# Altium PCB huamoidiot PCB.PcbDoc
Units mm, origin at the board's own origin, x right, y up, seen from the top; angles counter-clockwise.
Board outline 109.47 x 58.17 mm, 2 copper layers (Top Layer, Bottom Layer); 32 components, 41 nets, 177 pads, 9 vias.
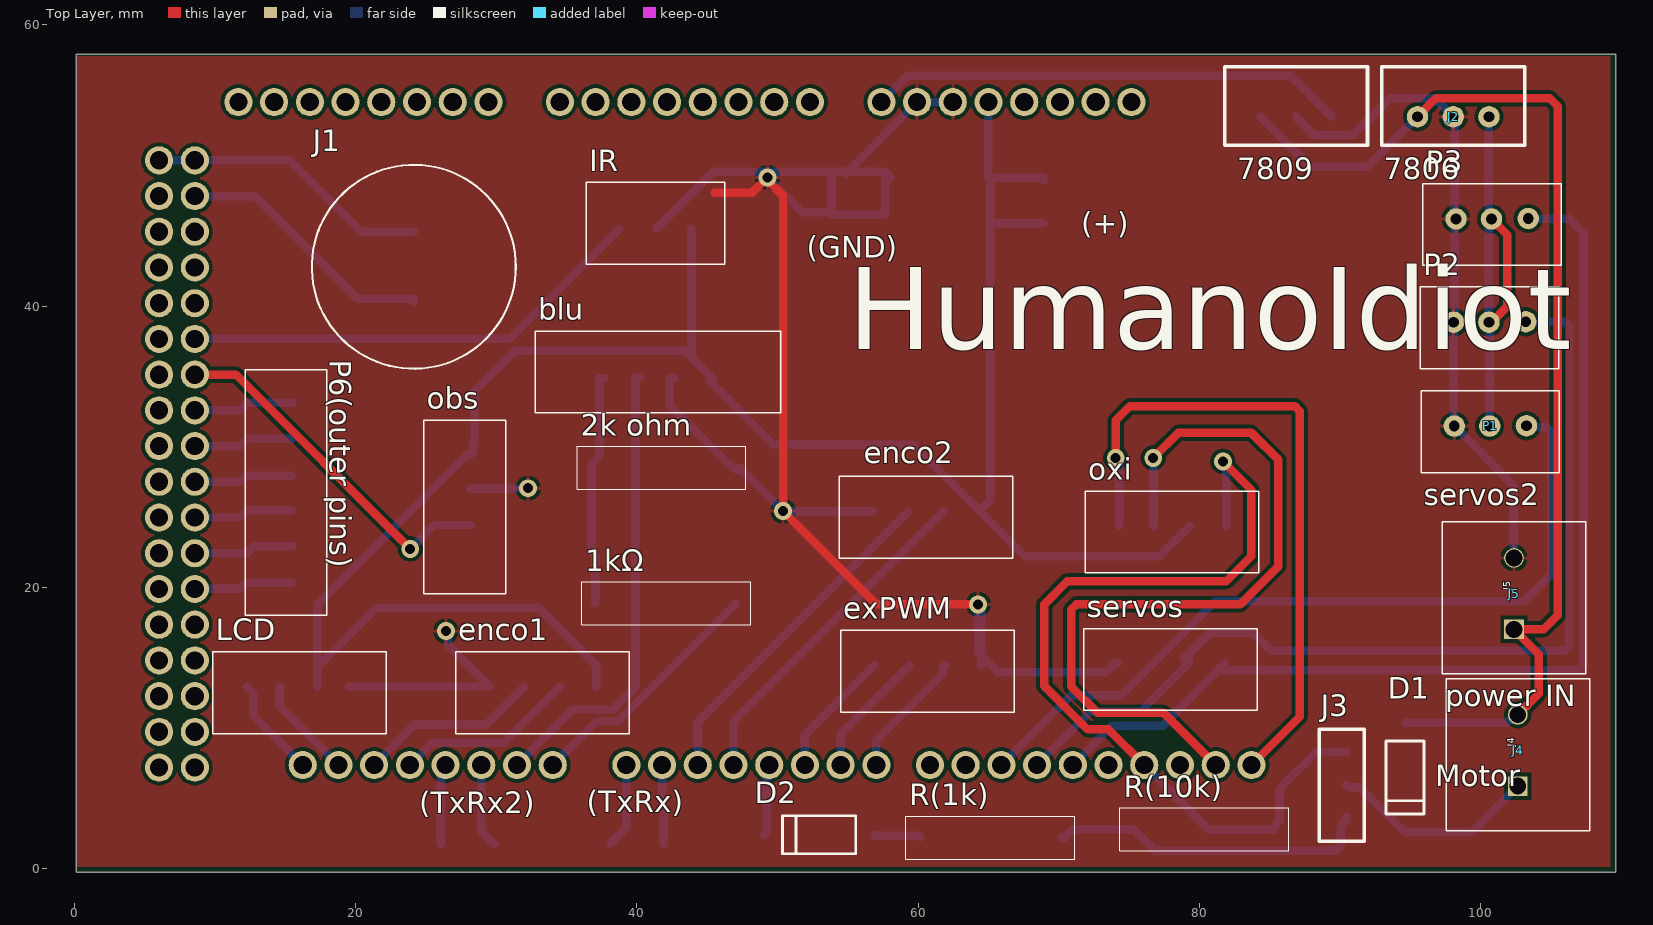
[diagram p0: Top Layer view]
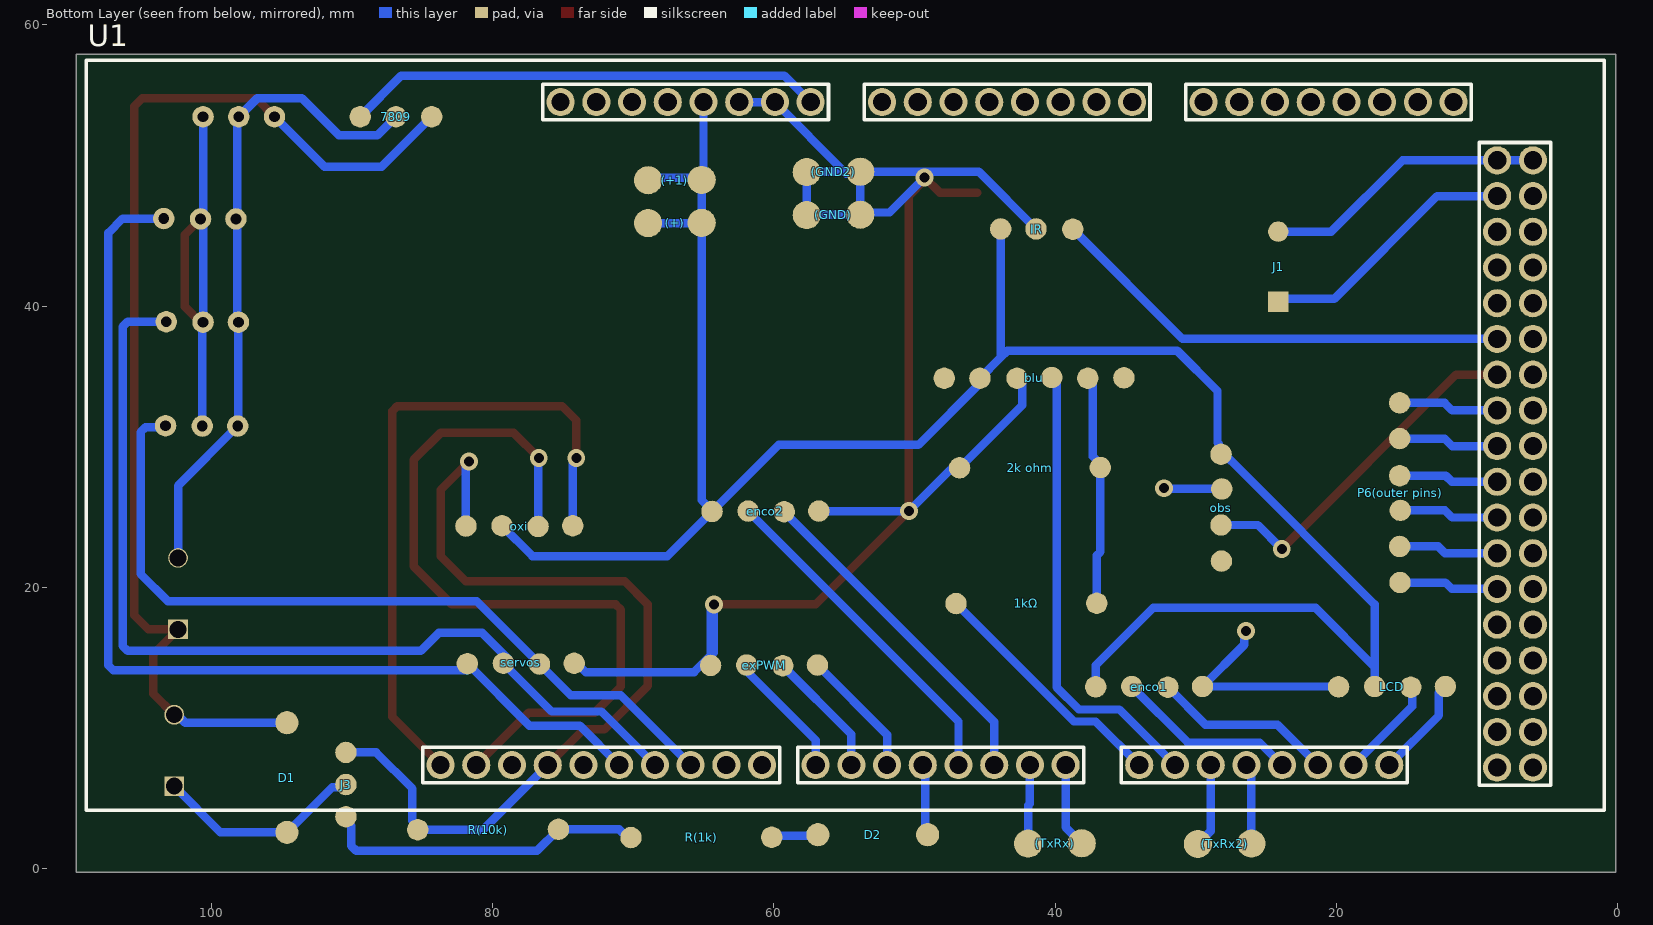
[diagram p1: Bottom Layer view, seen from below]

## Layer stack, top to bottom
Top Solder: solder mask 0.0102, Solder Resist, Dk 3.5
Top Layer: signal copper 0.0356
Dielectric 1: dielectric 0.32, FR-4, Dk 4.8
Bottom Layer: signal copper 0.0356
Bottom Solder: solder mask 0.0102, Solder Resist, Dk 3.5

## Board outline
0.127,-0.254 0.127,57.912 109.601,57.912 109.601,-0.254

## Design rules (kind name [scope] priority, off if disabled: settings)
Clearance [All] p1: gap=0.254 ignorepadtopadclearanceinfootprint=FALSE
PolygonConnect [All] p1: connectstyle=Relief reliefconductorwidth=0.254 reliefentries=4 polygonreliefangle="90 Angle" airgapwidth=0.254
RoutingVias [All] p1: holewidth=0.711 width=1.27 viastyle="Through Hole" minholewidth=0.711 minwidth=1.27 maxholewidth=0.711 maxwidth=1.27
SolderMaskExpansion [All] p1: expansion=0.102 istentingtop=FALSE
SupplyNets "Schematic Supply Nets_3" [InNet('+12')] p1: voltage=0.000
SupplyNets "Schematic Supply Nets_2" [InNet('+5')] p2: voltage=0.000
SupplyNets "Schematic Supply Nets" [InNet('GND')] p3: voltage=0.000
Width [All] p1: maxlimit=2 minlimit=0.254 preferedwidth=0.6 minimp=50.000000 maximp=50.000000 favimp=50.000000
30 further rules are at their usual default settings.

## Components (designator, comment, footprint, x,y, rotation, side; value= is the part's Value field where it differs from the comment)
1kΩ "0.25W_resistor" 0.25W_resistor 40.259,17.653 r0 top
"2k ohm" "0.25W_resistor" 0.25W_resistor 43.561,29.718 r180 top
7809 "7809_hole" 780X_hole#1 86.868,54.737 r0 top
(+1) "Pin_Header_2" "pin header_2" 70.612,49.867 r180 top
(+) "Pin_Header_2" "pin header_2" 70.612,46.813 r180 top
(GND2) "Pin_Header_2" "pin header_2" 59.334,50.444 r180 top
(GND) "Pin_Header_2" "pin header_2" 59.334,47.39 r180 top
(TxRx2) "Pin_Header_2" "pin header_2" 24.359,0.864 r0 top
(TxRx) "Pin_Header_2" "pin header_2" 36.424,0.889 r0 top
blu "bluetooth" Data_Pin_6 38.227,28.829 r0 top
D1 "1N4007" FAIR-DO-41-2 94.615,6.477 r270 top
D2 "1N4007" FAIR-DO-41-2 52.959,2.413 r180 top
enco1 "enco1" Data_Pin_4 27.737,13.716 r180 top
enco2 "enco2" Data_Pin_4 55.016,26.187 r180 top
exPWM "Data_Pin_4" Data_Pin_4 55.118,15.24 r180 top
IR "Data_Pin_3(IR)" Data_Pin_3#1 47.93,46.33 r0 top
J1 "Buzzer_5V" Buzzer_5V_14mm 24.13,42.799 r90 top
J2 "7806" 780X_hole#2 98.044,54.737 r0 top
J3 "BD679C NPN Transistor" "BD679C NPN Transistor" 89.916,5.98 r270 top
J4 "Motor" "Screw Terminal 2 pins" 102.634,8.404 r90 top
J5 "power IN" "Screw Terminal 2 pins" 102.362,19.558 r90 top
LCD "LCD" Data_Pin_4 10.465,13.716 r180 top
obs "OBS" Data_Pin_4 28.956,31.242 r90 top
oxi "OXI" Data_Pin_4 72.517,25.146 r180 top
P1 "servos2" Data_Pin_3#2 94.056,30.632 r180 top
P2 "servos3" Data_Pin_3#2 94.005,38.024 r180 top
P3 "servos4" Data_Pin_3#2 94.183,45.364 r180 top
"P6(outer pins)" "Data_Pin_6(outer pins)" Data_Pin_6 21.539,23.47 r90 top
R(1k) "0.25W_resistor" 0.25W_resistor 66.929,3.429 r180 top
R(10k) "0.25W_resistor" 0.25W_resistor 78.537,1.575 r0 top
servos "servos1" Data_Pin_4 72.415,15.363 r180 top
U1 "Arduino_Mega" Arduino_Mega 712.14,55.651 r180 bottom

## Footprints (in the part's own frame and the unit in brackets; to place one, negate y for a bottom-side part, rotate by r counter-clockwise, add the part's x,y. Pads: shape width x height; smd on the part's side, far side on the other; paste and mask are expansions set on the pad)
0.25W_resistor [mil]
  round 60 smd far side: 1(-127,48) 2(267,47)
  silkscreen extent -165,-12 308,108, body extent -143,1 283,95, height 162
780X_hole#1 [mil]
  round 60 smd far side: 1(-100,-50) 2(100,-50) 3(0,-50)
  silkscreen extent -200,-130 200,90, body extent -201,-130 201,91, height 813
780X_hole#2 [mil]
  round 60 hole 30: 1(-100,-50) 2(100,-50) 3(0,-50)
  silkscreen extent -200,-130 200,90, body extent -201,-130 201,91, height 813
Arduino_Mega [mm] "Arduino_Mega"
  round 2 hole 1.3: 3.3V(644.601,-1.143) 5V(647.141,-1.143) 5V_DOWN(703.58,-48.463) 5V_DOWN(706.12,-48.463) 22(706.12,-45.923) 23(703.58,-45.923) 24(706.12,-43.383) 25(703.58,-43.383) 26(706.12,-40.843) 27(703.58,-40.843) 28(706.12,-38.303) 29(703.58,-38.303) 30(706.12,-35.763) 31(703.58,-35.763) 32(706.12,-33.223) 33(703.58,-33.223) 34(706.12,-30.683) 35(703.58,-30.683) 36(706.12,-28.143) 37(703.58,-28.143) 38(706.12,-25.603) 39(703.58,-25.603) 40(706.12,-23.063) 41(703.58,-23.063) 42(706.12,-20.523) 43(703.58,-20.523) 44(706.12,-17.983) 45(703.58,-17.983) 46(706.12,-15.443) 47(703.58,-15.443) 48(706.12,-12.903) 49(703.58,-12.903) 50(706.12,-10.363) 51(703.58,-10.363) 52(706.12,-7.823) 53(703.58,-7.823) A_0(659.841,-1.143) A_1(662.381,-1.143) A_2(664.921,-1.143) A_3(667.461,-1.143) A_4(670.001,-1.143) A_5(672.541,-1.143) A_6(675.081,-1.143) A_7(677.621,-1.143) A_8(682.701,-1.143) A_9(685.241,-1.143) A_10(687.781,-1.143) A_11(690.321,-1.143) A_12(692.861,-1.143) A_13(695.401,-1.143) A_14(697.941,-1.143) A_15(700.481,-1.143) GND_DOWN(703.58,-5.283) GND_DOWN(706.12,-5.283) GND_POWER(649.681,-1.143) GND_POWER(652.221,-1.143) GND_PWM(636.067,-48.285) HOLD(636.981,-1.143) PWM_2(667.817,-48.285) PWM_3(665.277,-48.285) PWM_4(662.737,-48.285) PWM_5(660.197,-48.285) PWM_6(657.657,-48.285) PWM_7(655.117,-48.285) PWM_8(651.307,-48.285) PWM_9(648.767,-48.285) PWM_10(646.227,-48.285) PWM_11(643.687,-48.285) PWM_12(641.147,-48.285) PWM_13(638.607,-48.285) REF(633.527,-48.285) REF_I/O(639.521,-1.143) RST(642.061,-1.143) Rx_0(672.897,-48.285) Rx_15(680.669,-48.285) Rx_17(685.749,-48.285) Rx_19(690.829,-48.285) SCL(628.447,-48.285) SCL_21(695.909,-48.285) SDA(630.987,-48.285) SDA_20(693.369,-48.285) Tx_1(670.357,-48.285) Tx_14(678.129,-48.285) Tx_16(683.209,-48.285) Tx_18(688.289,-48.285) Vin(654.761,-1.143)
  silkscreen extent 603.25,-51.51 711.2,1.83, body extent 603.1,-51.26 711.05,2.08, height 18.3
"BD679C NPN Transistor" [mil] "BD679C 750@1.5A,3V 80V NPN 4A 40W TO-126-3 Darlington Transistor"
  round 60 smd far side: B(90,20) C(0,20) E(-90,20)
  silkscreen extent -155,-56 159,71, body extent -156,-56 159,72, height 671
Buzzer_5V_14mm [mm] "FP-PS1440P02BT-MFG"
  rect 1.45x1.45 smd far side paste-2539.97 mask+0: 1(-2.5,0)
  round 1.45 smd far side paste-2539.97 mask+0: 2(2.5,0)
  silkscreen extent -7.25,-7.25 7.25,7.25, body extent -7.35,-7.35 7.35,7.35, height 0.25
Data_Pin_3#1 [mil]
  round 60 smd far side: 1(-362,-34) 2(-259,-33) 3(-160,-33)
  silkscreen extent -454,-132 -67,97, body extent -451,-132 -67,98, height 284
Data_Pin_3#2 [mil]
  round 60 hole 30: 1(-362,-34) 2(-259,-33) 3(-160,-33)
  silkscreen extent -454,-132 -67,97, body extent -451,-132 -67,98, height 284
Data_Pin_4 [mil]
  round 60 smd far side: 1(-369,31) 2(-268,30) 3(-167,32) 4(-70,30)
  silkscreen extent -461,-67 25,162, body extent -460,-69 24,161, height 284
Data_Pin_6 [mil]
  round 60 smd far side: 1(-123,239) 2(-22,238) 3(79,240) 4(176,238) 5(280,238) 6(380,237.99)
  silkscreen extent -215,141 473,370, body extent -214,139 470,369, height 284
FAIR-DO-41-2 [mm] "THD, 2-Leads, Body 5.2x2.72mm, Pin Spacing 7.8mm"
  round 1.65 smd far side: 1(-3.9,0) 2(3.9,0)
  silkscreen extent -2.6,-1.35 2.6,1.35, body extent -4.29,-1.17 4.29,1.17, height 2.35
"pin header_2" [mm] "pin header_2"
  round 2 smd far side: 38(5.486,0.889) 39(1.676,0.914)
  body extent -0.25,-0.43 7.37,2.37, height 9
"Screw Terminal 2 pins" [mm]
  rect 1.4x1.4 hole 1.2 mask+0.102: 1(-2.54,0)
  round 1.4 hole 1.2 mask+0.102: 2(2.54,0)
  silkscreen extent -5.7,-5.1 5.1,5.1, body extent -5.66,-5.1 5.1,5.1, height 14.1

## Part data
(+1) (+) (GND2) (GND) (TxRx2) (TxRx): "pin header"
blu "P6(outer pins)": library part Data_Pin_6
D1 D2: library part CMP-004-00007-2, "General Purpose Rectifier, 1.1 V, 1.0 A, -55 to 175 degC, 2-Pin DO-41, RoHS, Tape and Reel", Case/Package=DO-41-2, Forward Current=1A, Forward Voltage=1.1V, Manufacturer=Fairchild, Max Operating Temperature=175°C, Max Surge Current=30A, Min Operating Temperature=-55°C, Package Description="2-Pin Axial Lead, Dia 2.375 mm, Body Length 4.63 mm", Package Quantity=5000, Package Version="Rev. 2, 09/2008", Peak Reverse Current=5uA, Datasheet URL=https://www.fairchildsemi.com/datasheets/1N/1N4007.pdf, Datasheet Version="Rev. 1.1.0, 11/2014", Elements=1, Manufacturer URL=https://www.fairchildsemi.com/, Mounting Technology=TH, Package Reference=DO-41-2, Package URL=http://www.fairchildsemi.com/dwg/DO/DO41A.pdf, Packaging=TapeandReel, Pins=2, RoHS Compliant=True
enco1 enco2 LCD obs oxi: library part Data_Pin_4
exPWM servos: library part CMP-010-000008-1, Design Item ID=Data_Pin_4, Source=negm_library.SchLib
IR P1 P2 P3: library part Data_Pin_3
J2: library part 7805_hole
J3: "BD679C 750@1.5A,3V 80V NPN 4A 40W TO-126-3 Darlington Transistor"
J4 J5: library part "Screw Terminal 2 pins", "Brass Alloy 1x2P 16A -40℃~+105℃ 300V Blue Tin 12~24 Direct Insert 5.08mm 1 2 Plugin,P=5.08mm Screw Terminal Blocks ROHS", Manufacturer=CUI, Manufacturer Part Number=TB004-508-02BE, Supplier Part Number=C3818636, Supplier="LSCS ELECTRONICS"

## Via types
v1: diameter 1.27, hole 0.711, Top Layer to Bottom Layer, 9 vias

## Nets (pads, with @x,y where several pads share a name; then routed paths per layer and width w, separated by ;. In a path a pad name is that pad's centre, name@x,y a point inside that pad or via, vN(x,y) a via of type N, cw(c..) or ccw(c..) an arc to the next point about the centre after c; other vN are vias at no path point)
+5: (+1).38 (+1).39 (+).38 (+).39 blu.5 enco1.1 enco2.1 IR.3 LCD.2 obs.4 oxi.2 U1.5V | length 156.5
  Bottom Layer w0.6: LCD.2 17.272,14.351 ; enco1.1 37.109,14.453 33.02,18.542 21.463,18.542 17.272,14.351 ; IR.3 43.866,36.347 ; U1.5V 64.999,49.105 65.126,48.978 ; 68.936,45.899 65.126,45.899 ; 68.936,48.953 68.936,49.131 65.278,49.131 65.126,48.978 ; oxi.2 77.165,22.225 67.564,22.225 enco2.1 ; 17.272,14.351 17.272,18.796 27.492,29.016 27.496,29.016 27.944,29.464 obs.4 28.371,29.641 28.371,30.2 28.448,30.277 28.448,33.971 31.307,36.83 43.383,36.83 43.866,36.347 ; 43.866,36.347 blu.5 45.339,34.696 45.161,34.696 49.721,30.137 59.652,30.137 enco2.1 ; enco2.1 64.389,25.477 65.126,26.213 65.126,45.899 ; 65.126,45.899 65.126,45.924 65.126,48.978
+12: 7809.1 D1.1 J2.1 J4.2 J5.1 | length 80.5
  Top Layer w0.6: J2.1 96.825,54.788 104.902,54.788 105.486,54.204 105.486,18.034 104.47,17.018 J5.1 104.115,15.265 104.115,12.425 J4.2 J4.2@102.458,10.768
  Bottom Layer w0.6: 7809.1 87.884,49.911 91.948,49.911 J2.1 ; D1.1 101.851,10.377 102.418,10.944 J4.2
GND: 7809.3 "2k ohm.1" (GND2).38 (GND2).39 (GND).38 (GND).39 blu.4 enco1.4 enco2.4 exPWM.1 IR.2 J2.3 J5.2 LCD.1 obs.3 P1.3 P2.3 P3.3 servos.4 U1.GND_POWER | length 193.9
  Top Layer w0.6: 45.537,48.062 48.189,48.062 v1(49.276,49.149) 49.276,48.968 50.394,47.85 v1(50.394,25.425) 57.023,18.796 v1(64.262,18.796)
  Bottom Layer w0.6: LCD.1@19.555,12.954 enco1.4 26.544,15.925 26.544,16.763 v1(26.416,16.891) ; obs.3 28.169,27.026 32.233,27.026 v1(32.258,27.051) ; IR.2 45.415,49.555 53.848,49.555 53.848,46.504 53.693,46.658 51.767,46.658 v1(49.276,49.149) ; blu.4 42.342,34.874 42.342,32.944 46.787,28.499 47.32,28.499 47.32,28.322 ; 47.134,28.322 47.497,28.322 v1(50.394,25.425) enco2.4 ; 53.848,46.501 53.853,46.496 57.638,46.496 57.658,46.476 ; 53.857,49.55 54.961,49.55 ; 54.839,49.428 54.961,49.55 ; 57.658,46.752 57.658,49.53 ; 57.658,48.768 58.039,49.149 57.658,49.53 ; U1.GND_POWER@62.459,54.508 59.919,54.508 54.961,49.55 ; exPWM.1 exPWM.1@64.491,15.138 ; servos.4 74.011,14.601 73.38,13.97 65.659,13.97 exPWM.1@64.491,15.138 ; 7809.3 88.184,52.151 90.926,52.151 93.558,54.783 96.728,54.783 J2.3 98.146,53.365 98.146,46.304 P3.3 98.158,46.114 98.158,38.951 P2.3 98.095,38.837 98.095,31.496 P1.3 102.362,27.229 J5.2 ; 54.961,49.55 57.638,49.55 57.658,49.53 ; exPWM.1@64.491,15.138 64.491,18.567 v1(64.262,18.796) 64.262,15.367 exPWM.1@64.491,15.138
GND_DDD: J1.2 U1.GND_DOWN | length 20.2
  Bottom Layer w0.6: U1.GND_DOWN@6.02,50.368 8.56,50.368 15.291,50.368 20.36,45.299 J1.2
GND_PWM: J3.E oxi.1 R(10k).2 U1.GND_PWM | length 63.7
  Top Layer w0.6: U1.GND_PWM 73.533,9.906 72.045,9.906 68.961,12.99 68.961,18.796 70.612,20.447 81.915,20.447 83.693,22.225 83.693,26.924 v1(81.661,28.956)
  Bottom Layer w0.6: U1.GND_PWM 80.67,2.769 85.319,2.769 85.319,3.019 85.698,3.398 85.698,5.688 88.276,8.266 J3.E ; v1(81.661,28.956) 81.661,28.775 81.89,28.546 oxi.1
Net1kΩ_1: 1kΩ.1 "2k ohm.2" blu.2 | length 16.7
  Bottom Layer w0.6: 1kΩ.1 37.033,22.276 36.779,22.53 36.779,28.524 36.779,28.774 37.313,29.308 37.313,34.874 blu.2
NetD1_2: D1.2 J3.C J4.1 | length 15
  Bottom Layer w0.6: J3.C 90.601,5.803 91.389,5.803 D1.2 99.347,2.577 J4.1
NetD2_1: D2.1 R(1k).2 | length 3.4
  Bottom Layer w0.6: D2.1 56.948,2.324 60.058,2.324 60.147,2.235
NetJ3_B: J3.B R(1k).1 R(10k).1 | length 23.1
  Bottom Layer w0.6: 70.155,2.21 70.405,2.21 70.989,2.794 75.311,2.794 76.835,1.27 89.692,1.27 90.043,1.621 90.043,3.063 90.424,3.444 J3.B
PIN31: "P6(outer pins).1" U1.31 | length 7.1
  Bottom Layer w0.6: U1.31 11.786,19.888 12.243,20.345 15.469,20.345
PIN33: "P6(outer pins).2" U1.33 | length 7.1
  Bottom Layer w0.6: U1.33 12.268,22.428 12.751,22.911 15.494,22.911
PIN35: "P6(outer pins).3" U1.35 | length 7.1
  Bottom Layer w0.6: U1.35 11.76,24.968 12.268,25.476 15.443,25.476
PIN37: "P6(outer pins).4" U1.37 | length 7.1
  Bottom Layer w0.6: U1.37 11.786,27.508 12.217,27.94 15.494,27.94
PIN39: "P6(outer pins).5" U1.39 | length 7.2
  Bottom Layer w0.6: U1.39 11.76,30.048 12.294,30.582 15.494,30.582
PIN41: "P6(outer pins).6" U1.41 | length 7.2
  Bottom Layer w0.6: U1.41 11.76,32.588 12.294,33.122 15.494,33.122
PIN43: obs.2 U1.43 | length 25.5
  Top Layer w0.6: U1.43 11.481,35.128 v1(23.876,22.733)
  Bottom Layer w0.6: v1(23.876,22.733) 25.578,24.435 obs.2
PIN45: IR.1 U1.45 | length 33.4
  Bottom Layer w0.6: U1.45 30.937,37.668 IR.1
PIN53: J1.1 U1.53 | length 18.8
  Bottom Layer w0.6: U1.53 12.831,47.828 20.146,40.513 24.13,40.513 J1.1
PWM2: enco2.3 U1.PWM_2 | length 24.2
  Bottom Layer w0.6: U1.PWM_2 44.323,10.439 enco2.3
PWM3: enco2.2 U1.PWM_3 | length 24.3
  Bottom Layer w0.6: U1.PWM_3 46.863,10.465 enco2.2
PWM4: D2.2 U1.PWM_4 | length 6.1
  Bottom Layer w0.6: D2.2 49.145,2.499 49.231,2.585 49.231,7.194 49.231,7.264 49.835,7.264 49.835,7.366 U1.PWM_4
PWM10: P1.1 servos.3 U1.PWM_10 | length 56.8
  Bottom Layer w0.6: U1.PWM_10 70.866,12.319 74.426,12.319 servos.3 81.128,19.02 103.094,19.02 105.029,20.955 105.029,31.04 104.678,31.391 103.415,31.391 103.31,31.496 P1.1
PWM11: P2.1 servos.2 U1.PWM_11 | length 69.2
  Bottom Layer w0.6: U1.PWM_11 72.263,11.176 75.798,11.176 servos.2 79.223,14.927 78.896,14.927 80.732,16.764 83.82,16.764 85.09,15.494 105.948,15.494 106.299,15.845 106.299,38.536 105.948,38.887 P2.1
PWM12: P3.1 servos.1 U1.PWM_12 | length 75.1
  Bottom Layer w0.6: U1.PWM_12 73.787,10.16 77.373,10.16 servos.1 81.788,14.097 106.964,14.097 107.315,14.448 107.315,45.212 106.299,46.228 P3.1
PWM_5: exPWM.4 U1.PWM_5 | length 9.2
  Bottom Layer w0.6: U1.PWM_5 51.943,9.525 exPWM.4
PWM_6: exPWM.3 U1.PWM_6 | length 9.1
  Bottom Layer w0.6: U1.PWM_6 54.483,9.55 exPWM.3
PWM_7: exPWM.2 U1.PWM_7 | length 9.1
  Bottom Layer w0.6: U1.PWM_7 57.023,9.144 61.748,13.869 61.748,14.301 exPWM.2
Rx: (TxRx).39 U1.Rx_0 | length 6
  Bottom Layer w0.6: 38.1,1.803 39.243,2.946 U1.Rx_0
Rx1: enco1.3 U1.Rx_19 | length 13
  Bottom Layer w0.6: U1.Rx_19 24.181,10.236 29.312,10.236 enco1.3
Rx2: (TxRx2).39 U1.Rx_17 | length 5.7
  Bottom Layer w0.6: 26.035,1.778 26.035,7.01 U1.Rx_17
Rx3: blu.3 U1.Rx_15 | length 33.1
  Bottom Layer w0.6: U1.Rx_15 35.423,11.318 38.305,11.318 39.878,12.892 39.878,34.874 39.878,34.925 blu.3
SCL: oxi.4 U1.SCL | length 47.8
  Top Layer w0.6: v1(74.041,29.21) 74.041,31.877 75.057,32.893 86.771,32.893 87.122,32.542 87.122,10.795 U1.SCL
  Bottom Layer w0.6: v1(74.041,29.21) 74.041,29.029 74.295,28.775 oxi.4
SCL21: LCD.4 U1.SCL_21 | length 7.2
  Bottom Layer w0.6: LCD.4 12.7,12.497 12.7,10.897 U1.SCL_21
SDA: oxi.3 U1.SDA | length 57
  Top Layer w0.6: v1(76.708,29.21) 78.497,30.999 83.682,30.999 85.598,29.083 85.598,21.496 82.898,18.796 71.247,18.796 70.866,18.415 70.866,12.954 72.735,11.085 77.434,11.085 U1.SDA
  Bottom Layer w0.6: v1(76.708,29.21) 76.733,29.185 76.733,24.359 oxi.3
SDA20: LCD.3 U1.SDA_20 | length 7.4
  Bottom Layer w0.6: LCD.3 14.605,12.891 14.605,11.532 U1.SDA_20
Servo_POwer: J2.2 P1.2 P2.2 P3.2 | length 30.7
  Top Layer w0.6: P2.2 100.686,38.76 101.879,39.954 101.879,45.085 P3.2
  Bottom Layer w0.6: J2.2 P2.2 100.635,38.811 P1.2 100.635,31.42 P1.2@100.686,31.369
Tx: (TxRx).38 U1.Tx_1 | length 5.6
  Bottom Layer w0.6: U1.Tx_1 41.783,4.623 41.91,4.496 41.91,1.778
Tx1: enco1.2 U1.Tx_18 | length 13
  Bottom Layer w0.6: U1.Tx_18 25.451,8.966 30.556,8.966 enco1.2
Tx2: (TxRx2).38 U1.Tx_16 | length 6
  Bottom Layer w0.6: U1.Tx_16 28.931,2.667 29.845,1.753
Tx3: 1kΩ.2 U1.Tx_14 | length 17.9
  Top Layer w0.6: U1.Tx_14 U1.Tx_14@34.087,7.442
  Bottom Layer w0.6: U1.Tx_14 37.109,10.464 38.658,10.464 1kΩ.2
Vin: 7809.2 U1.Vin | length 34
  Bottom Layer w0.6: U1.Vin 59.258,56.388 86.487,56.388 7809.2
pads on no net: blu.1 blu.6 obs.1 U1.3.3V U1.5V_DOWN U1.22 U1.23 U1.24 U1.25 U1.26 U1.27 U1.28 U1.29 U1.30 U1.32 U1.34 U1.36 U1.38 U1.40 U1.42 U1.44 U1.46 U1.47 U1.48 U1.49 U1.50 U1.51 U1.52 U1.A_0 U1.A_1 U1.A_2 U1.A_3 U1.A_4 U1.A_5 U1.A_6 U1.A_7 U1.A_8 U1.A_9 U1.A_10 U1.A_11 U1.A_12 U1.A_13 U1.A_14 U1.A_15 U1.HOLD U1.PWM_8 U1.PWM_9 U1.PWM_13 U1.REF U1.REF_I/O U1.RST

## Polygon pours and split planes (outlines as drawn)
GND on Top Layer "NONET_L03_P-001" (solid, remove dead copper, pour order 0): 0.254,57.785 0.127,57.658 0.127,0.127 109.347,0.127 109.22,0.254 109.22,57.785

## Silkscreen, mask and mechanical layers (free items; w line width, h text height)
Top Overlay:
  text "HumanoIdiot" at 54.991,34.999 h10
Mechanical 1:
  the board outline again, w0.254